# Altium PCB AIM2 REVB.PcbDoc (part 1 of 4) (continued)
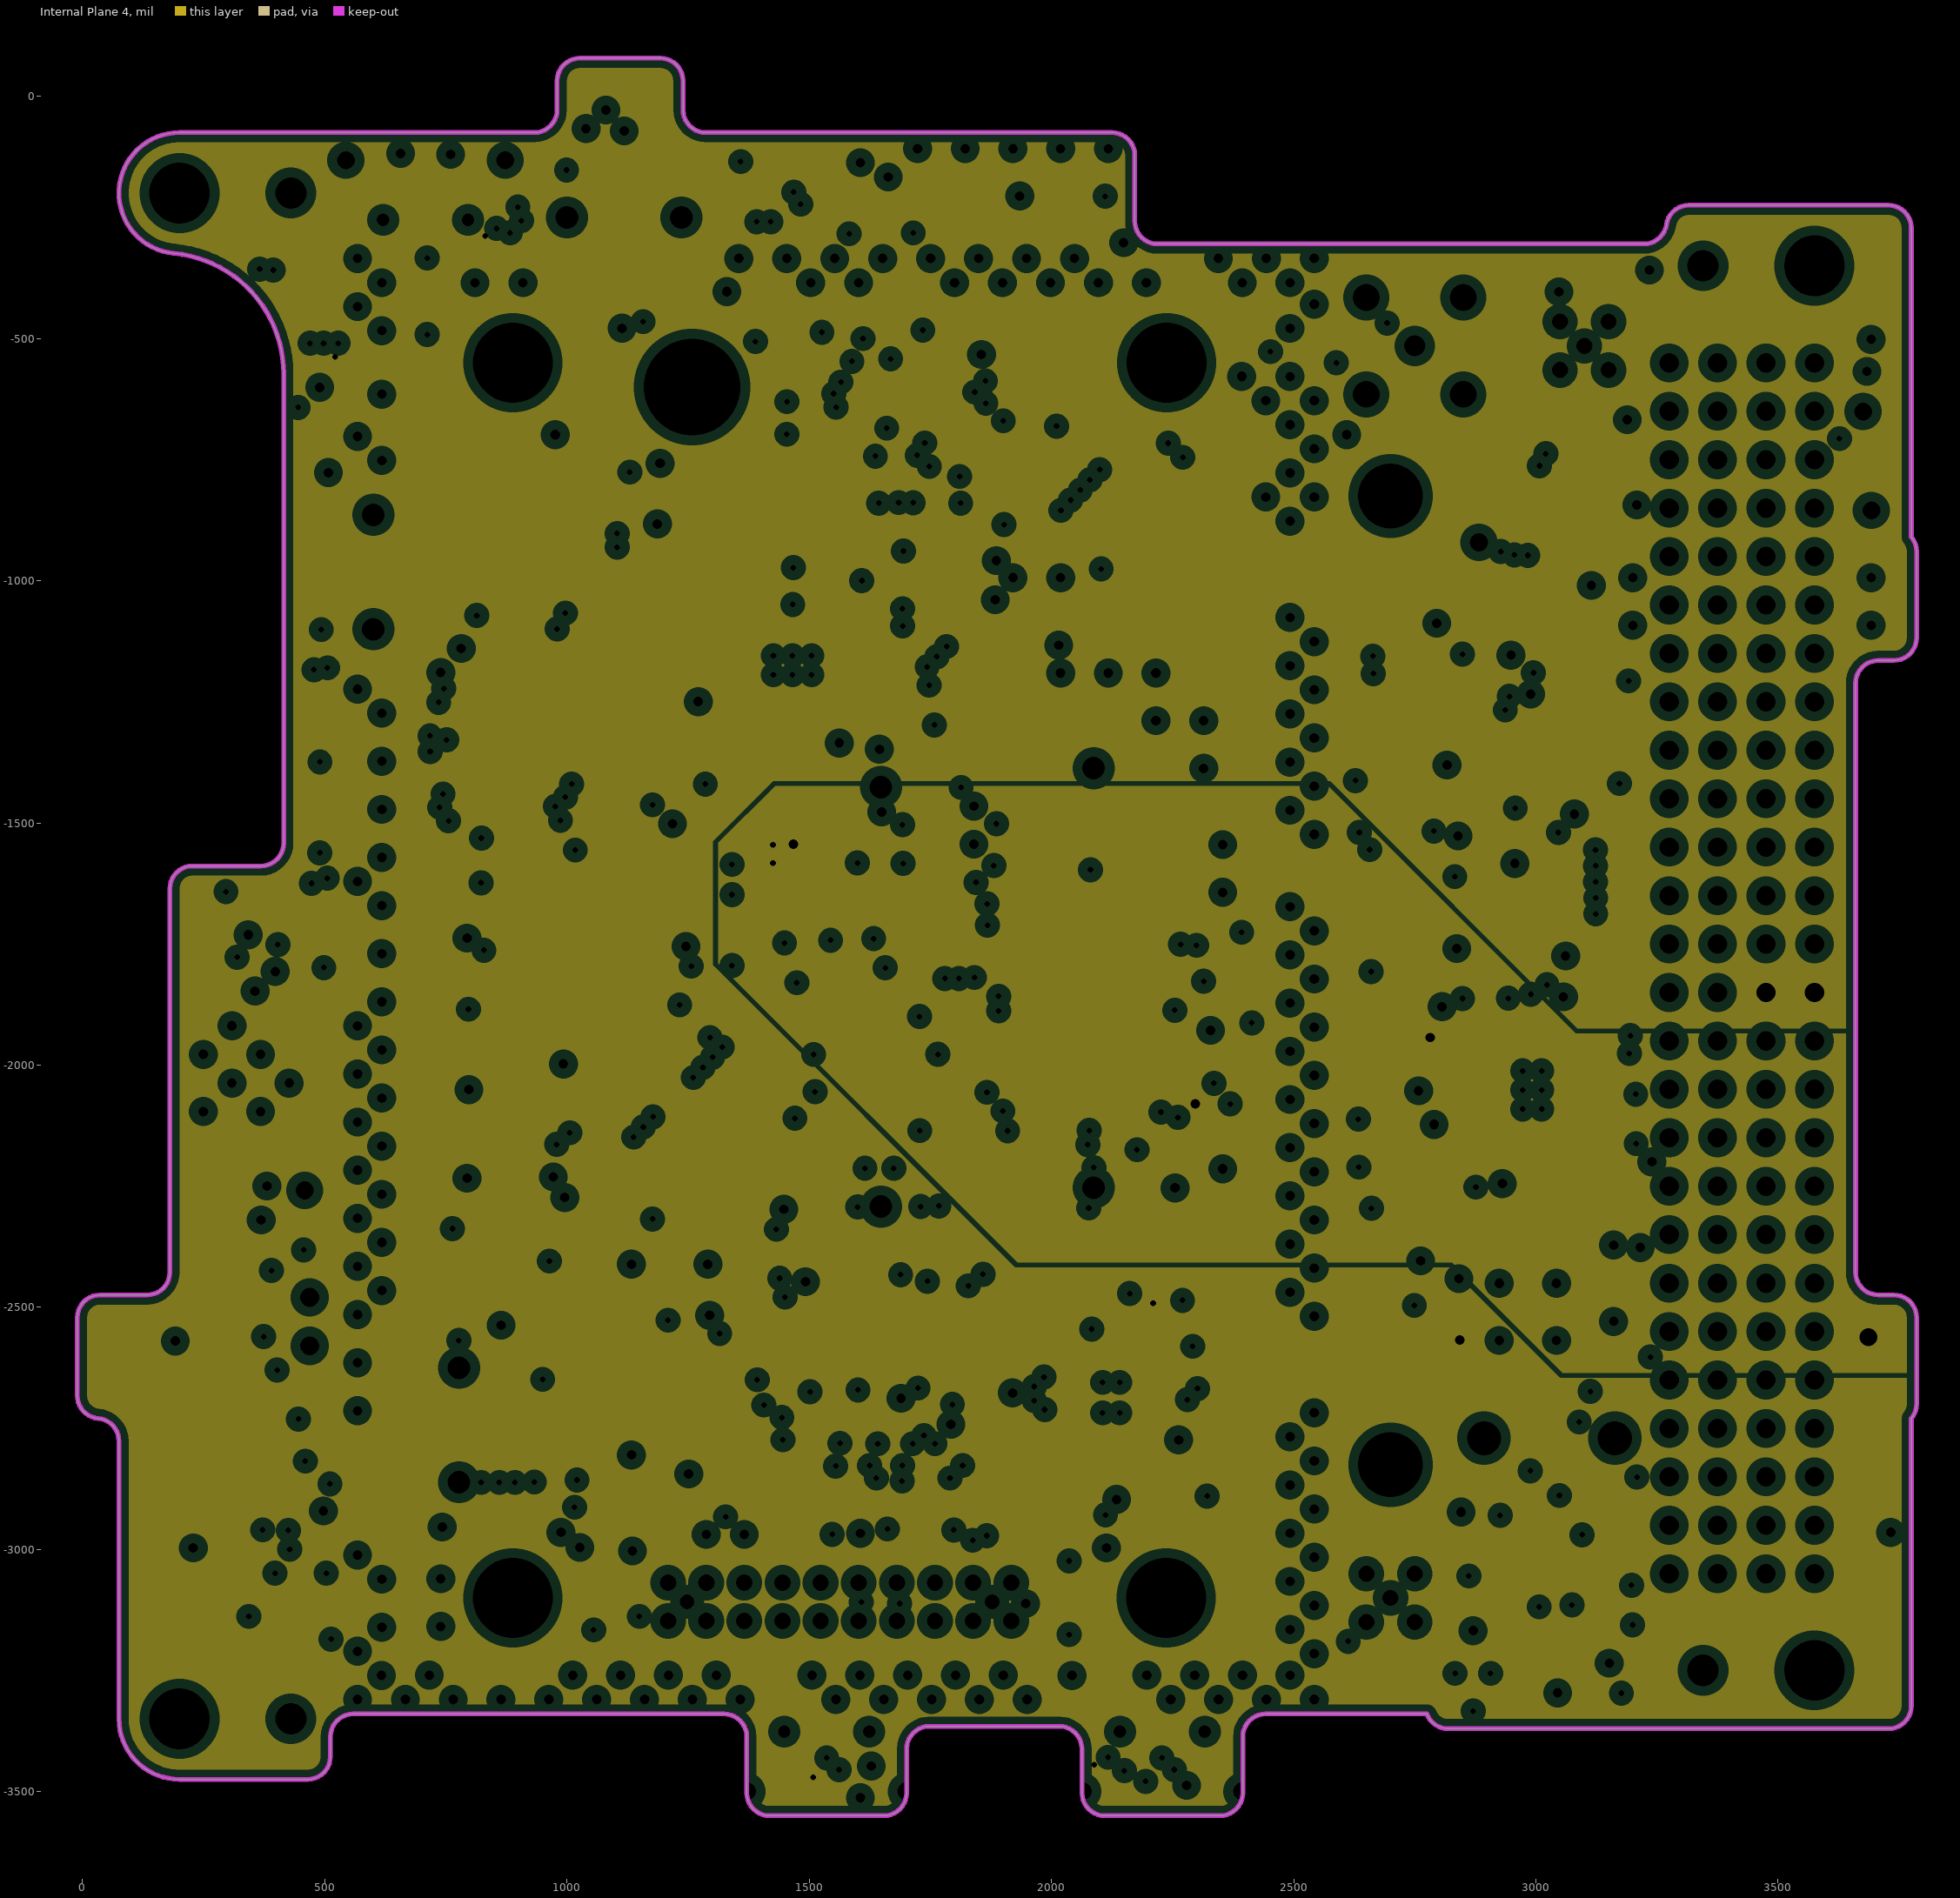
[diagram p4: Internal Plane 4, clearances drawn from the general rule]
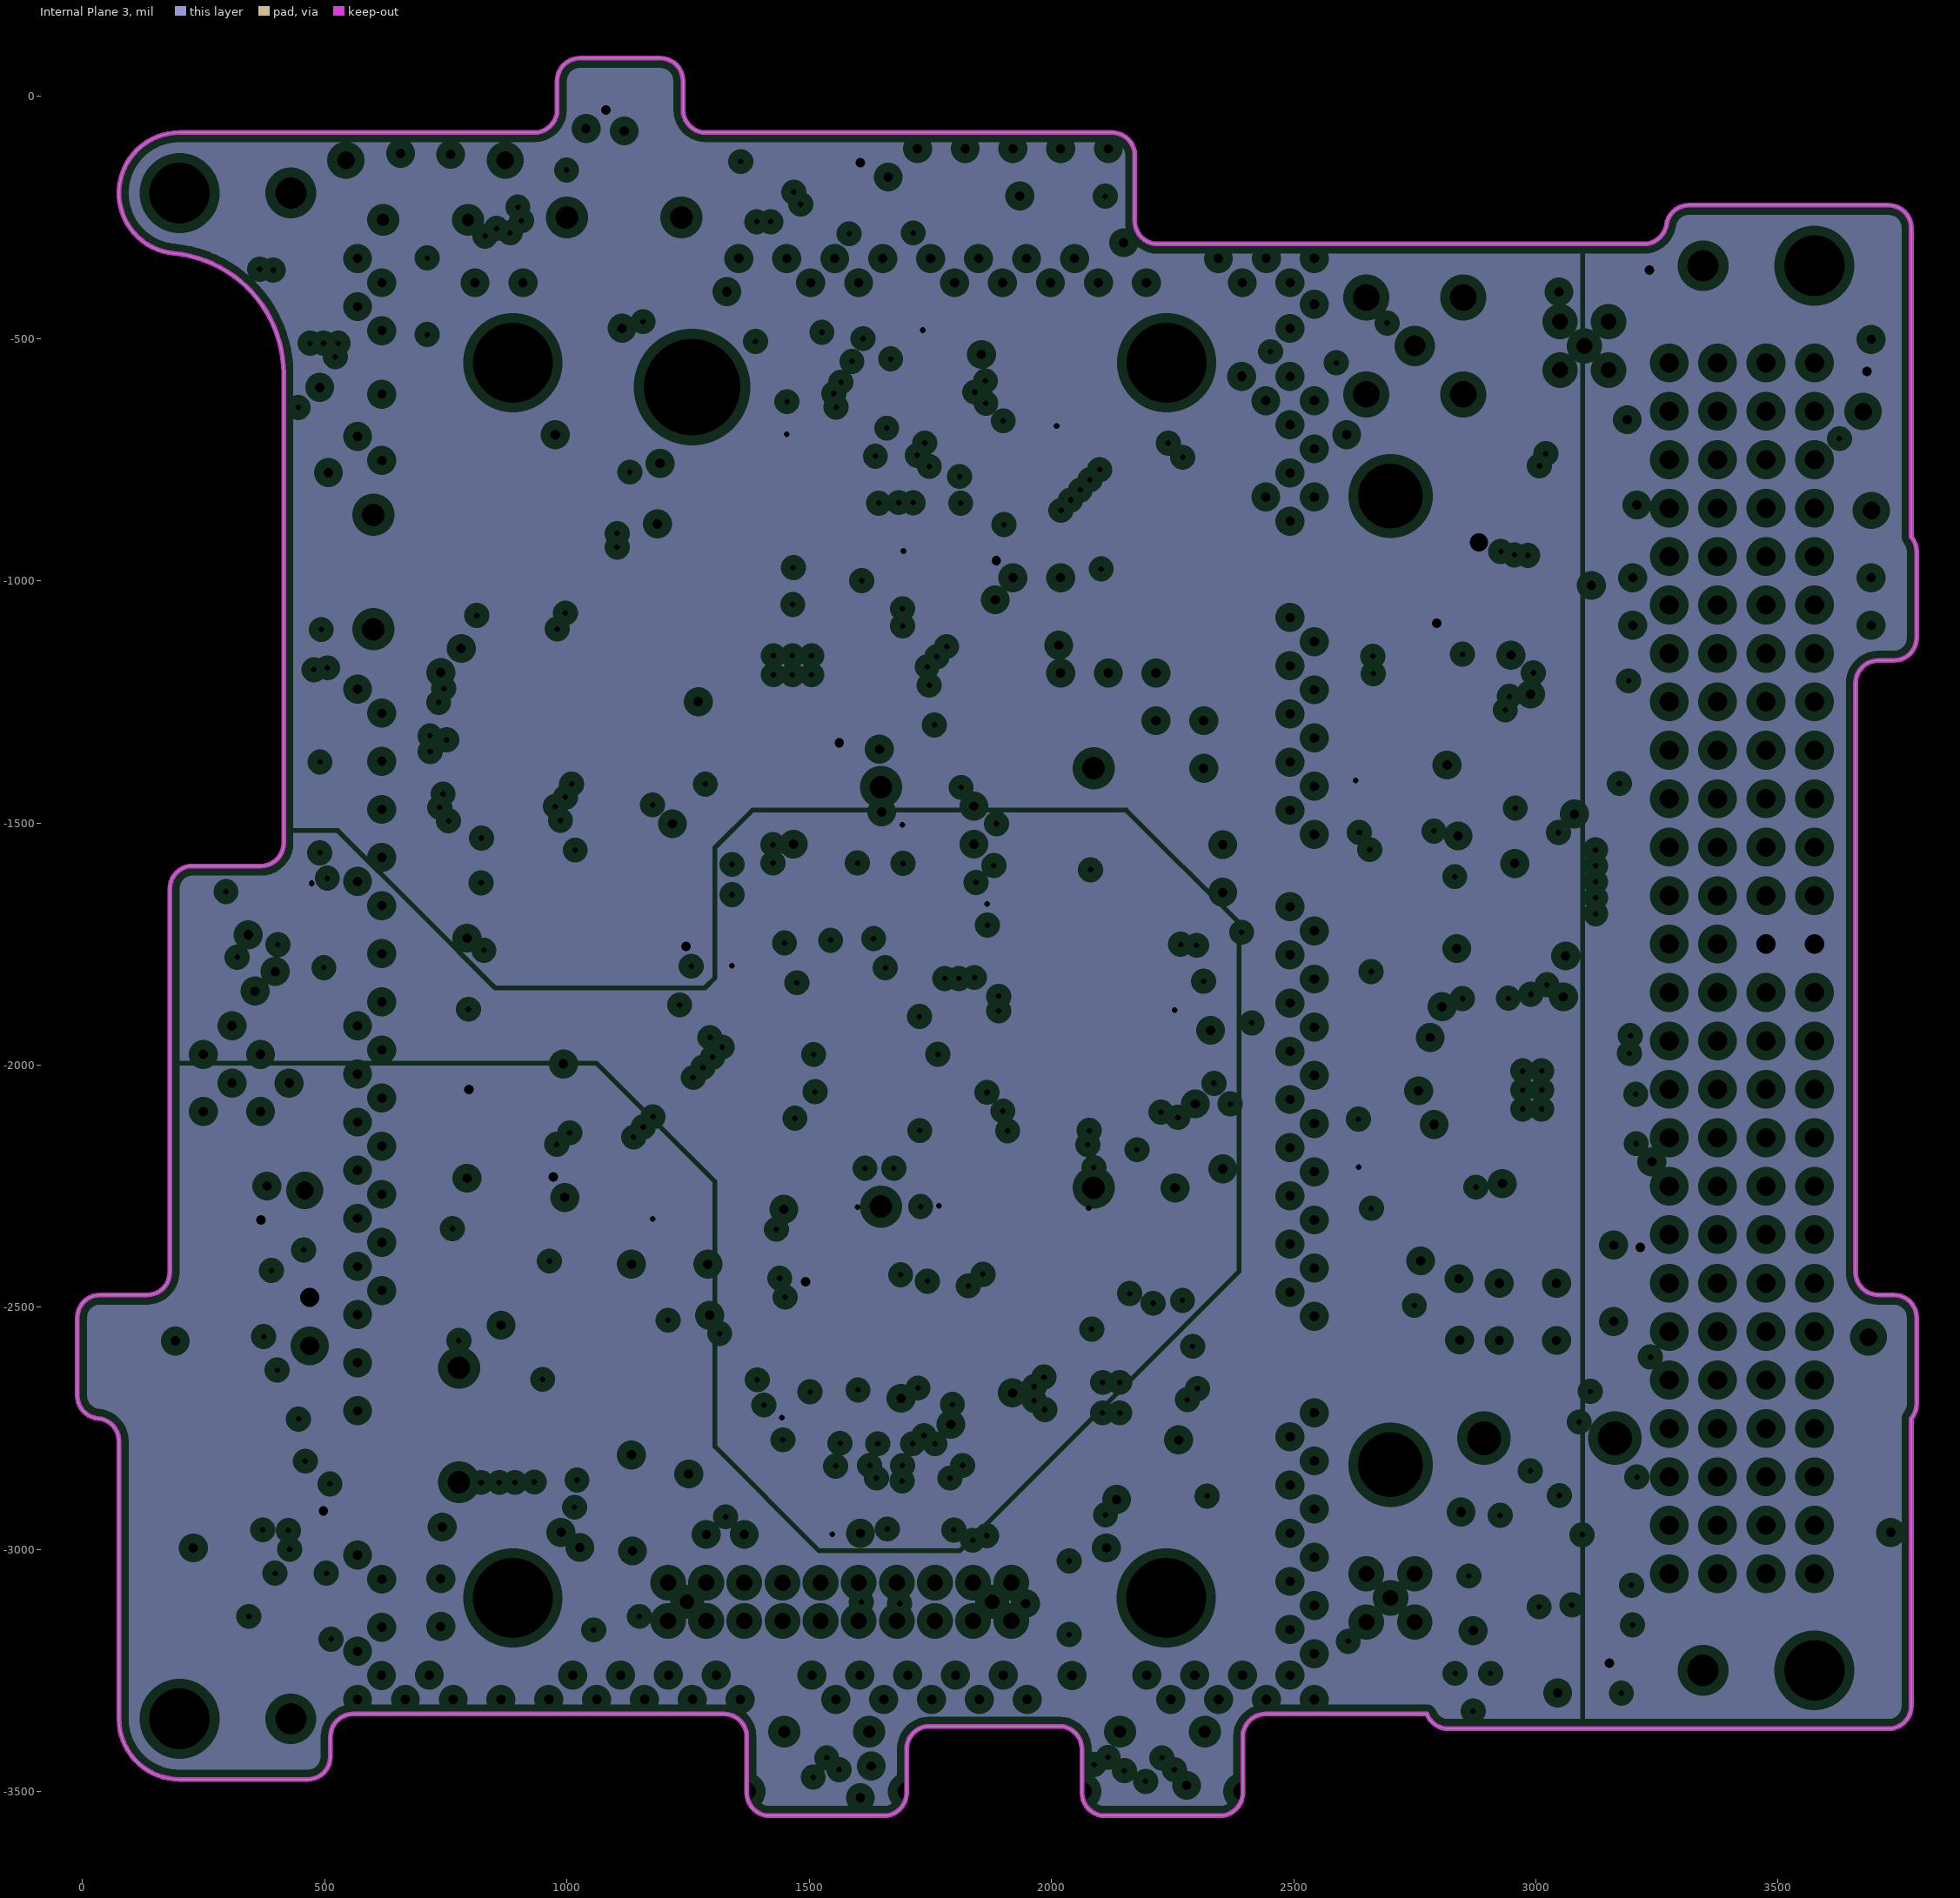
[diagram p5: Internal Plane 3, clearances drawn from the general rule]
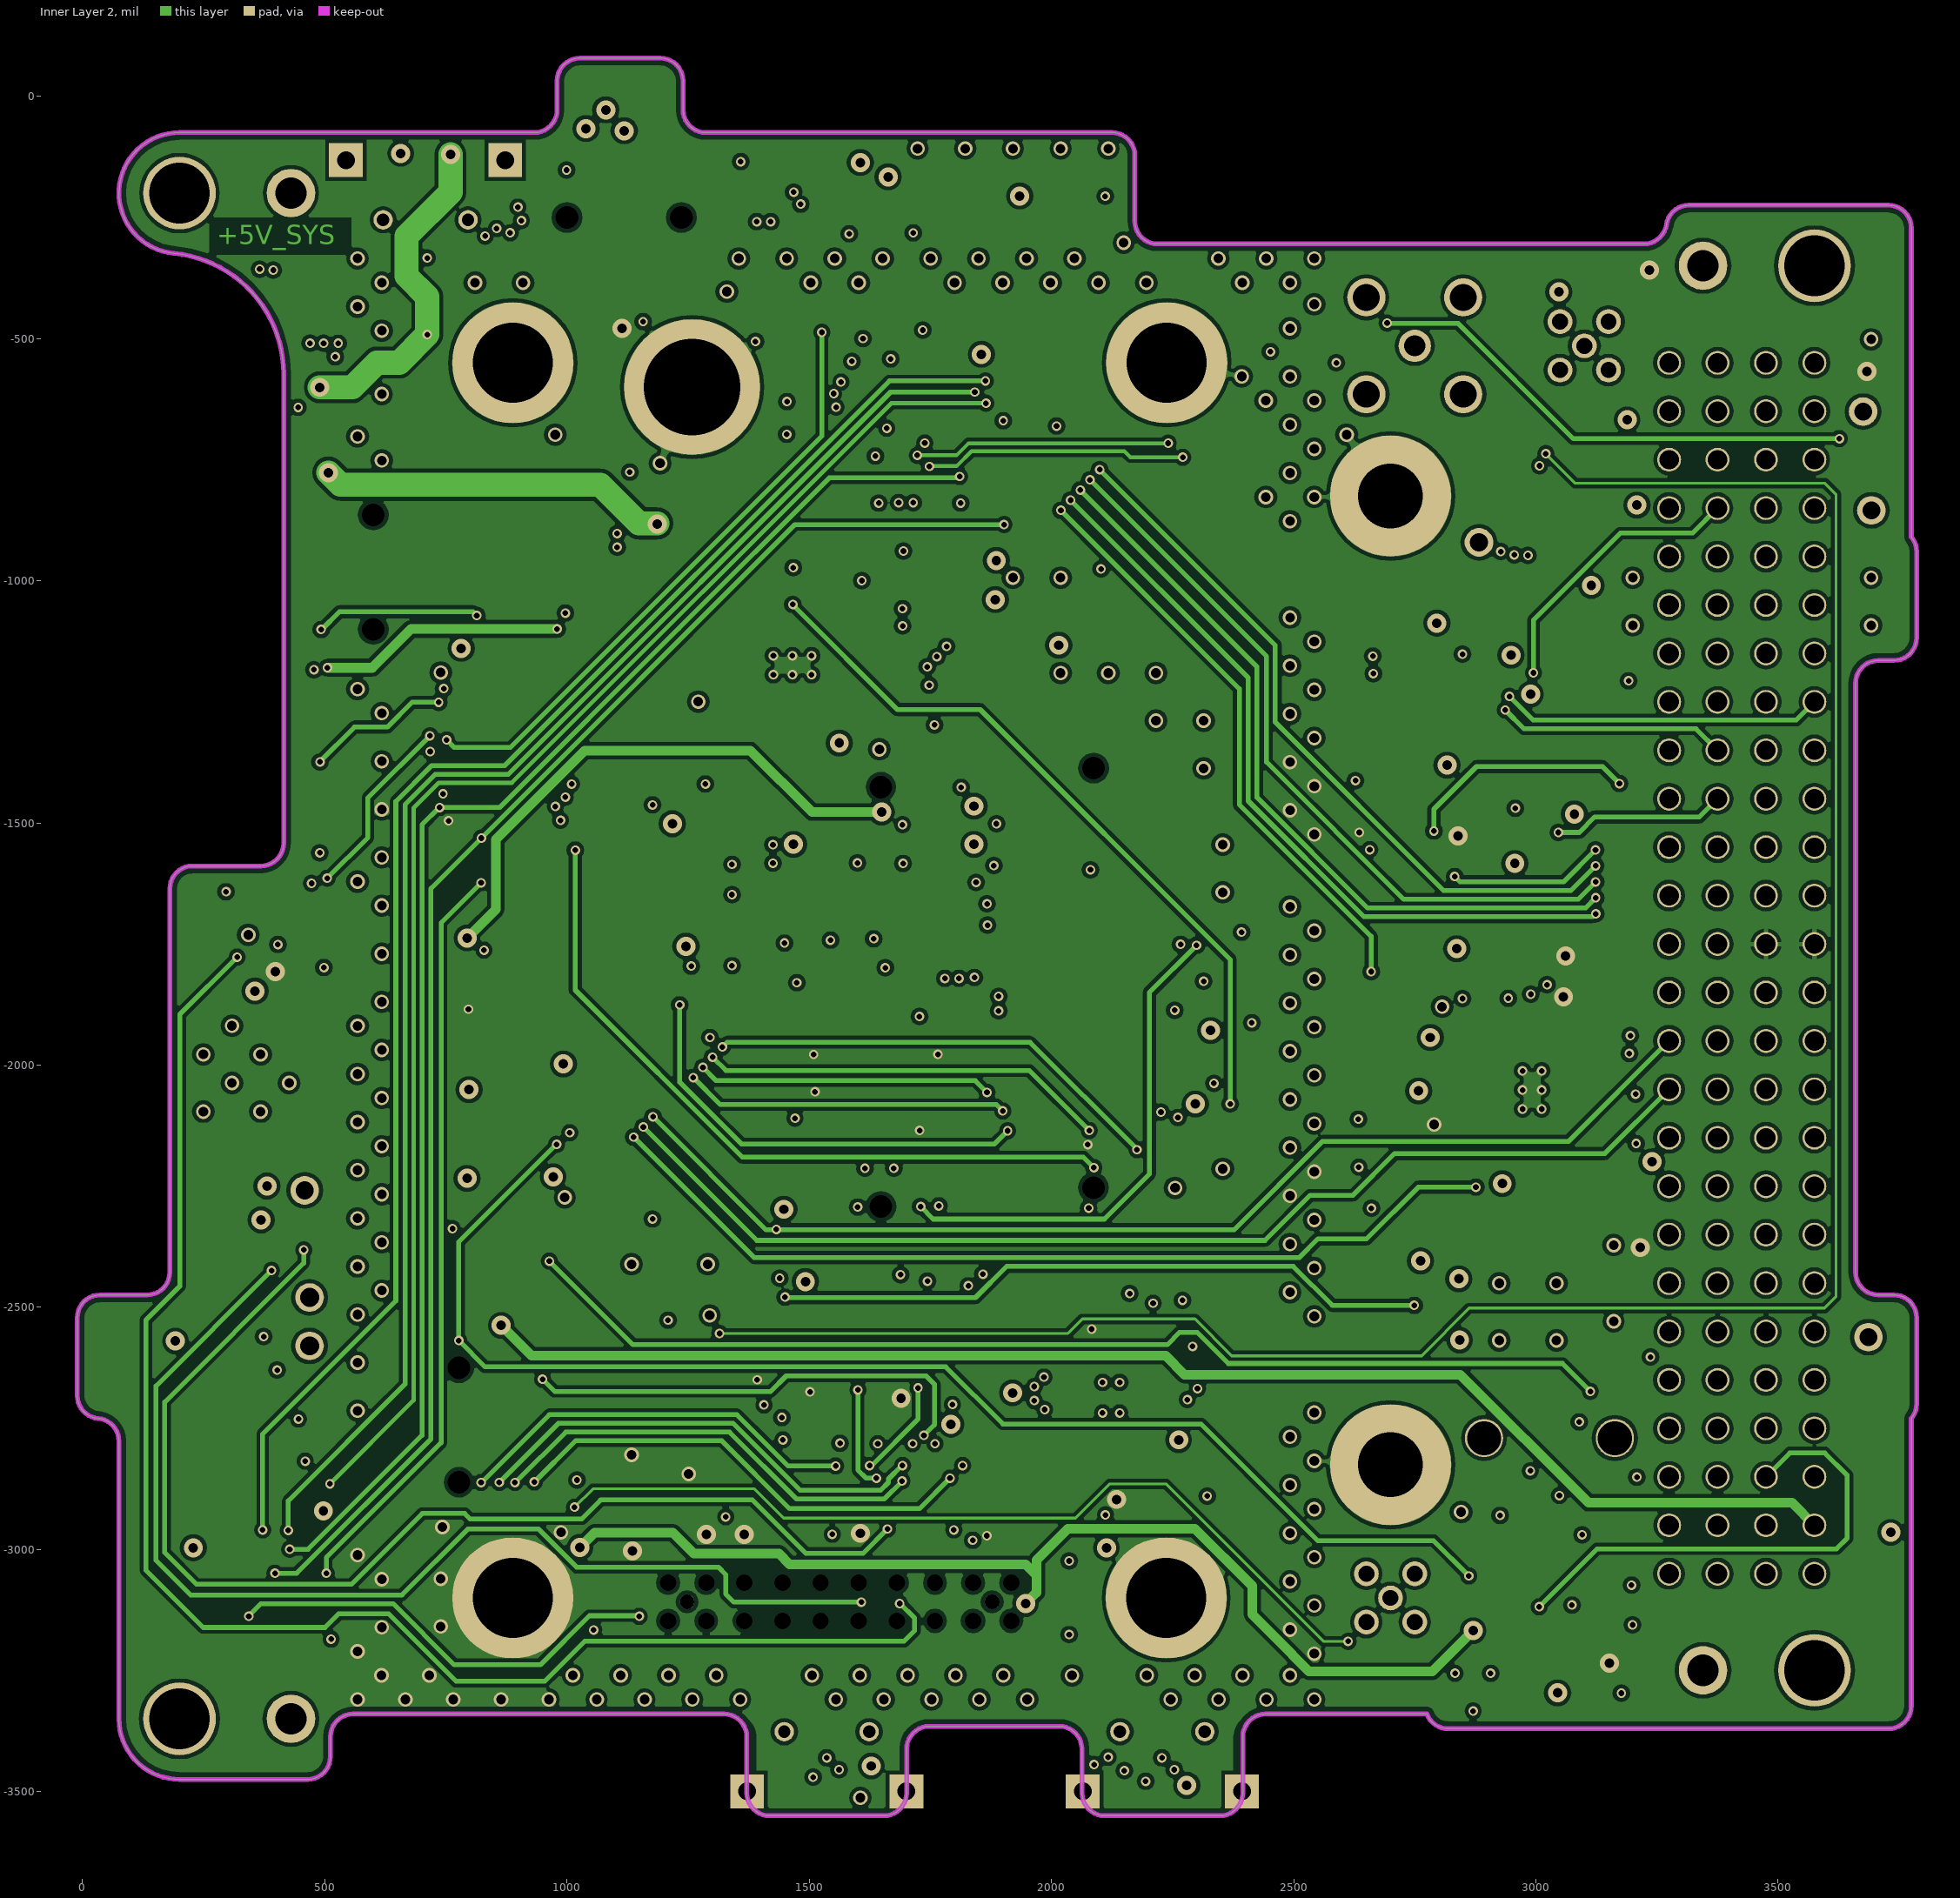
[diagram p6: Inner Layer 2]
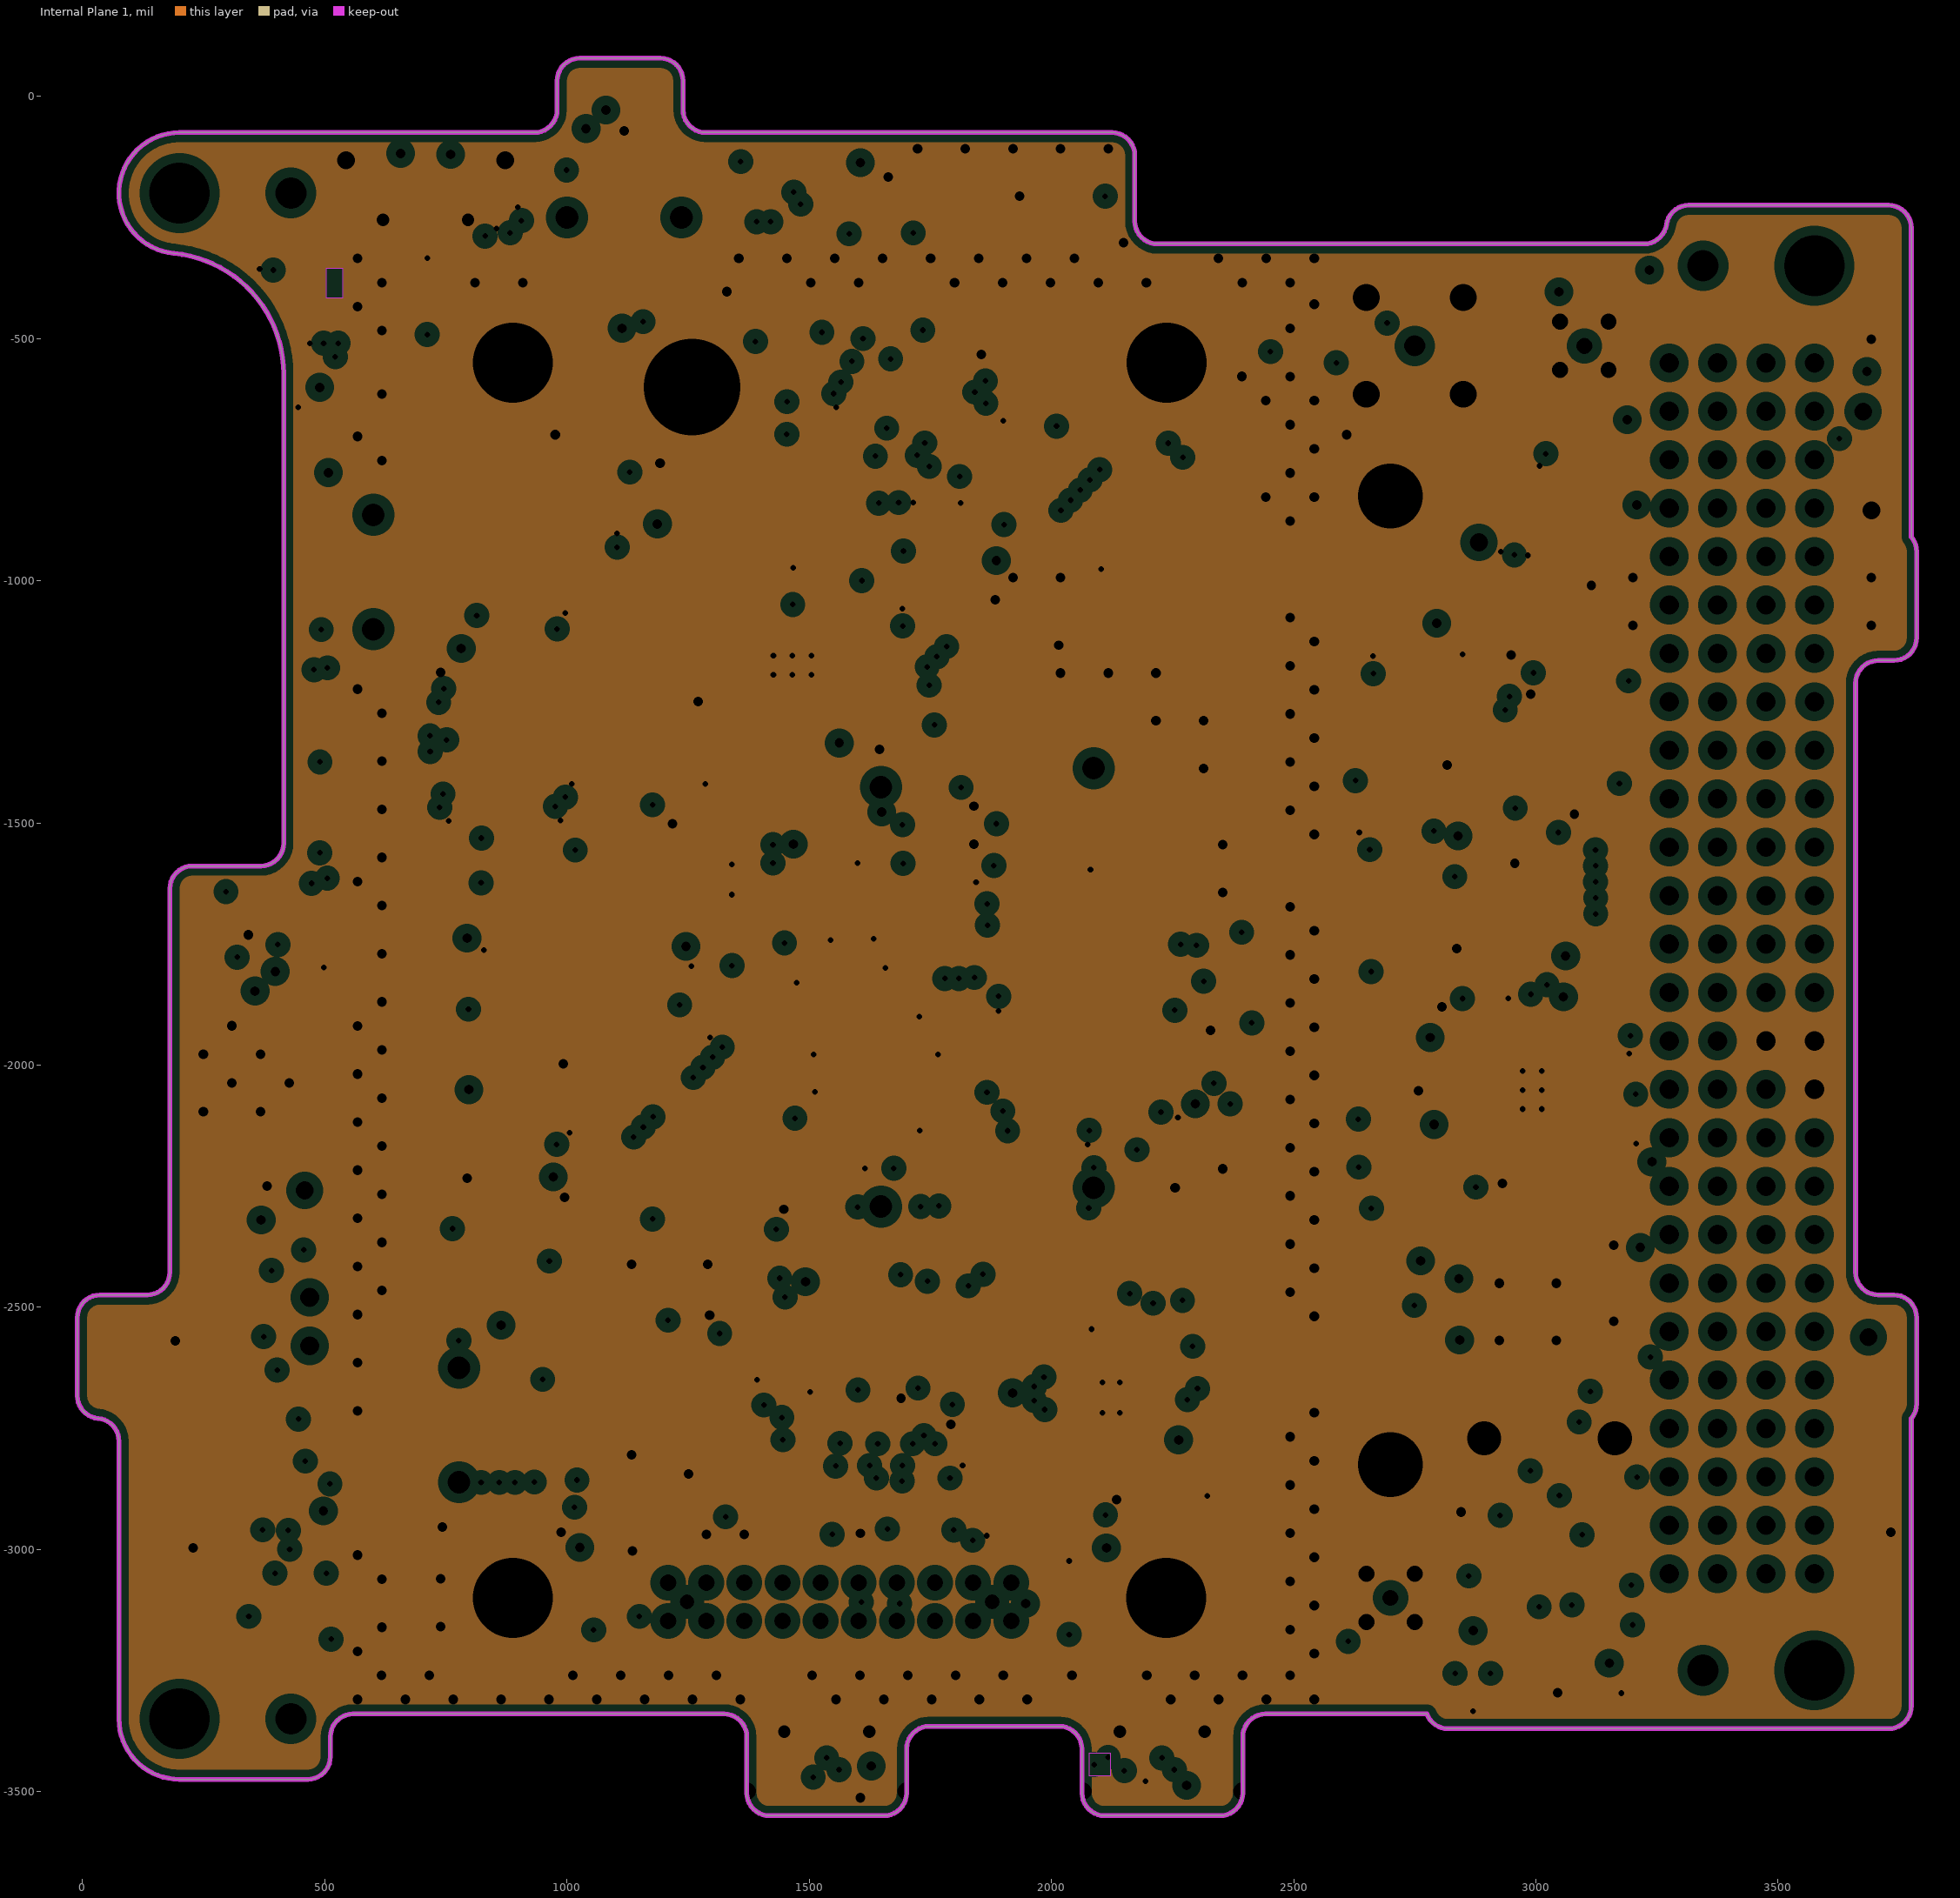
[diagram p7: Internal Plane 1, clearances drawn from the general rule]

## Layer stack, top to bottom
Top Solder: solder mask 1.2, Solder Resist, Dk 3.5
TOP Copper: signal copper 1.5
Dielectric 1: core 4.6, FR-4, Dk 4.3
Internal Plane 2: plane copper 1.4, net GND
Dielectric 5: prepreg 8, FR-4, Dk 4.3
Inner Layer 1: signal copper 1.4
Dielectric 3: core 8.4, FR-4, Dk 4.3
Internal Plane 4: plane copper 1.4, net (Multiple Nets)
Dielectric 6: core 8, FR-4, Dk 4.3
Internal Plane 3: plane copper 1.4, net (Multiple Nets)
Dielectric 7: prepreg 8.4, FR-4, Dk 4.3
Inner Layer 2: signal copper 1.4
Dielectric 4: prepreg 8, FR-4, Dk 4.3
Internal Plane 1: plane copper 1.4, net GND
Dielectric 2: core 4.6, FR-4, Dk 4.3
BOT Copper: signal copper 1.5
Bottom Solder: solder mask 1.2, Solder Resist, Dk 3.5

## Board outline
75,-3349.62 75,-2776.16 ccw(c28,-2776.16) 32,-2729.33 cw(c36,-2682.5) -11,-2682.5 -11,-2521.5 cw(c36,-2521.5) 36,-2474.5 133.02,-2474.5 ccw(c133.02,-2427.5) 180.02,-2427.5 180.02,-1635.69 cw(c226.89,-1635.69) 226.89,-1588.81 368.13,-1588.81 ccw(c368.13,-1541.94) 415,-1541.94 415,-572.98 ccw(c165,-572.98) 188.34,-324.08 cw(c200,-199.62) 200,-74.62 932.5,-74.62 ccw(c932.5,-27.62) 979.5,-27.62 979.5,32 cw(c1026.5,32) 1026.5,79 1192.5,79 cw(c1192.5,32) 1239.5,32 1239.5,-27.62 ccw(c1286.5,-27.62) 1286.5,-74.62 2125,-74.62 cw(c2125,-121.62) 2172,-121.62 2172,-257.62 ccw(c2219,-257.62) 2219,-304.62 3223.13,-304.62 ccw(c3223.13,-257.75) 3269.49,-264.67 cw(c3315.97,-271.62) 3315.97,-224.62 3728,-224.62 cw(c3728,-271.62) 3775,-271.62 3775,-909.5 cw(c3739.01,-939.72) 3786.01,-939.72 3786.01,-1117.5 cw(c3739.01,-1117.5) 3739.01,-1164.5 3707,-1164.5 ccw(c3707,-1211.5) 3660,-1211.5 3660,-2427.5 ccw(c3707,-2427.5) 3707,-2474.5 3739.01,-2474.5 cw(c3739.01,-2521.5) 3786.01,-2521.5 3786.01,-2699.28 cw(c3739.01,-2699.28) 3775,-2729.5 3775,-3323.01 cw(c3728,-3323.01) 3728,-3370.01 2818.97,-3370.01 cw(c2818.97,-3323.01) 2775,-3339.62 2442,-3339.62 ccw(c2442,-3386.62) 2395,-3386.62 2395,-3502.62 cw(c2348,-3502.62) 2348,-3549.62 2110,-3549.62 cw(c2110,-3502.62) 2063,-3502.62 2063,-3412 ccw(c2016,-3412) 2016,-3365 1748,-3365 ccw(c1748,-3412) 1701,-3412 1701,-3502.62 cw(c1654,-3502.62) 1654,-3549.62 1418,-3549.62 cw(c1418,-3502.62) 1371,-3502.62 1371,-3386.62 ccw(c1324,-3386.62) 1324,-3339.62 558.47,-3339.62 ccw(c558.47,-3386.62) 511.47,-3386.62 511.47,-3427.62 cw(c464.47,-3427.62) 464.47,-3474.62 200,-3474.62 cw(c200,-3349.62)
